# Altium PCB 08蜂鸣器.PcbDoc
Units mil, origin at the board's own origin, x right, y up, seen from the top; angles counter-clockwise.
Board outline 1168.96 x 939.58 mil, 2 copper layers (Top Layer, Bottom Layer); 4 components, 8 nets, 14 pads, 19 vias.
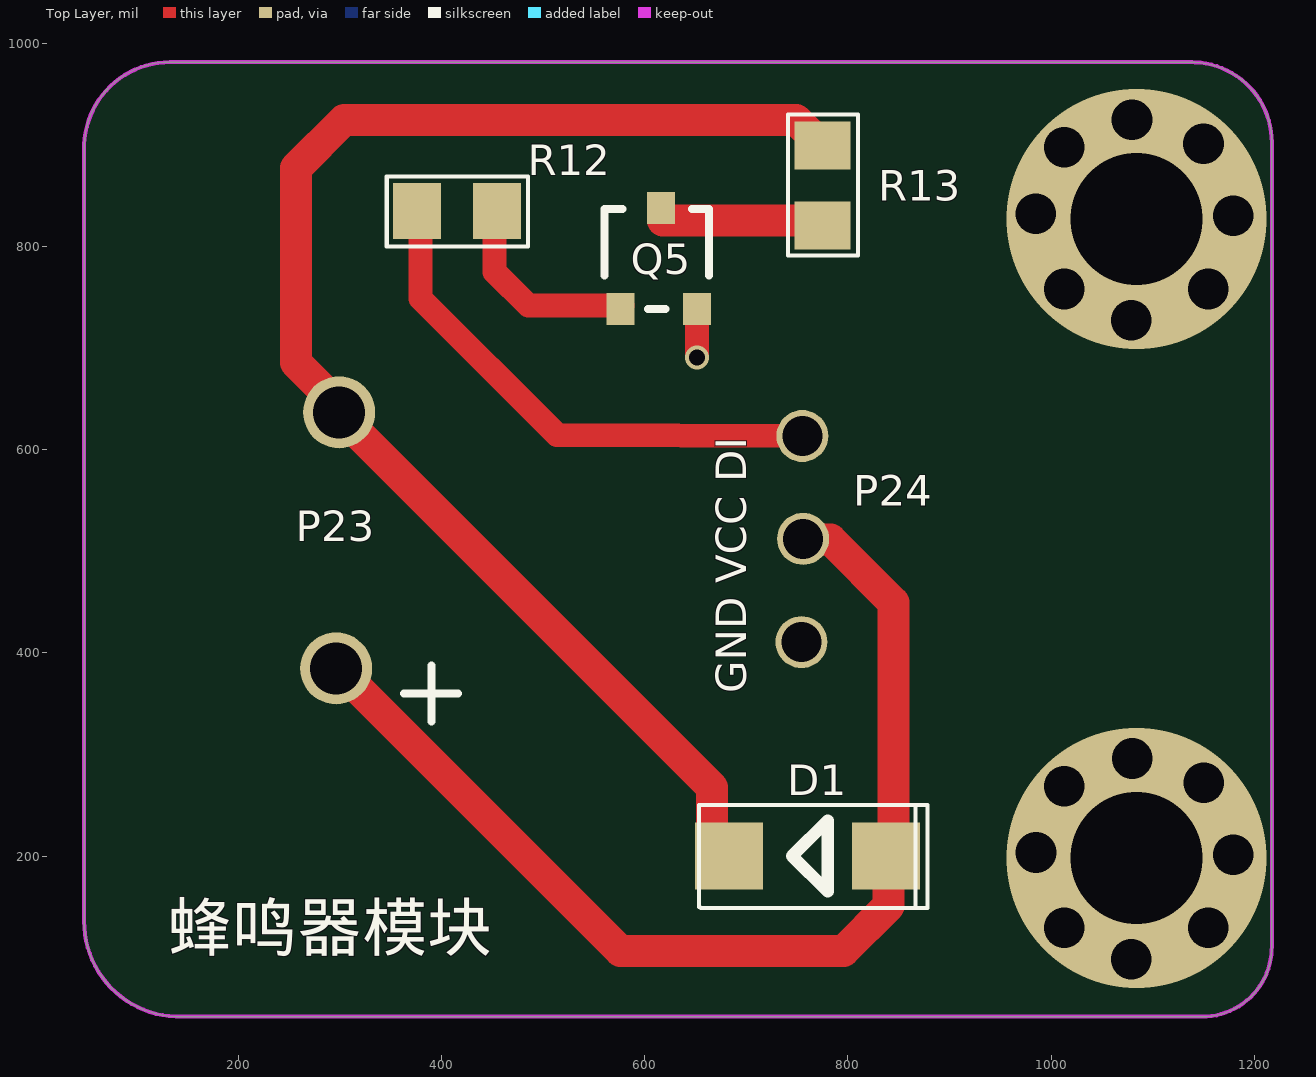
[diagram p0: Top Layer view]
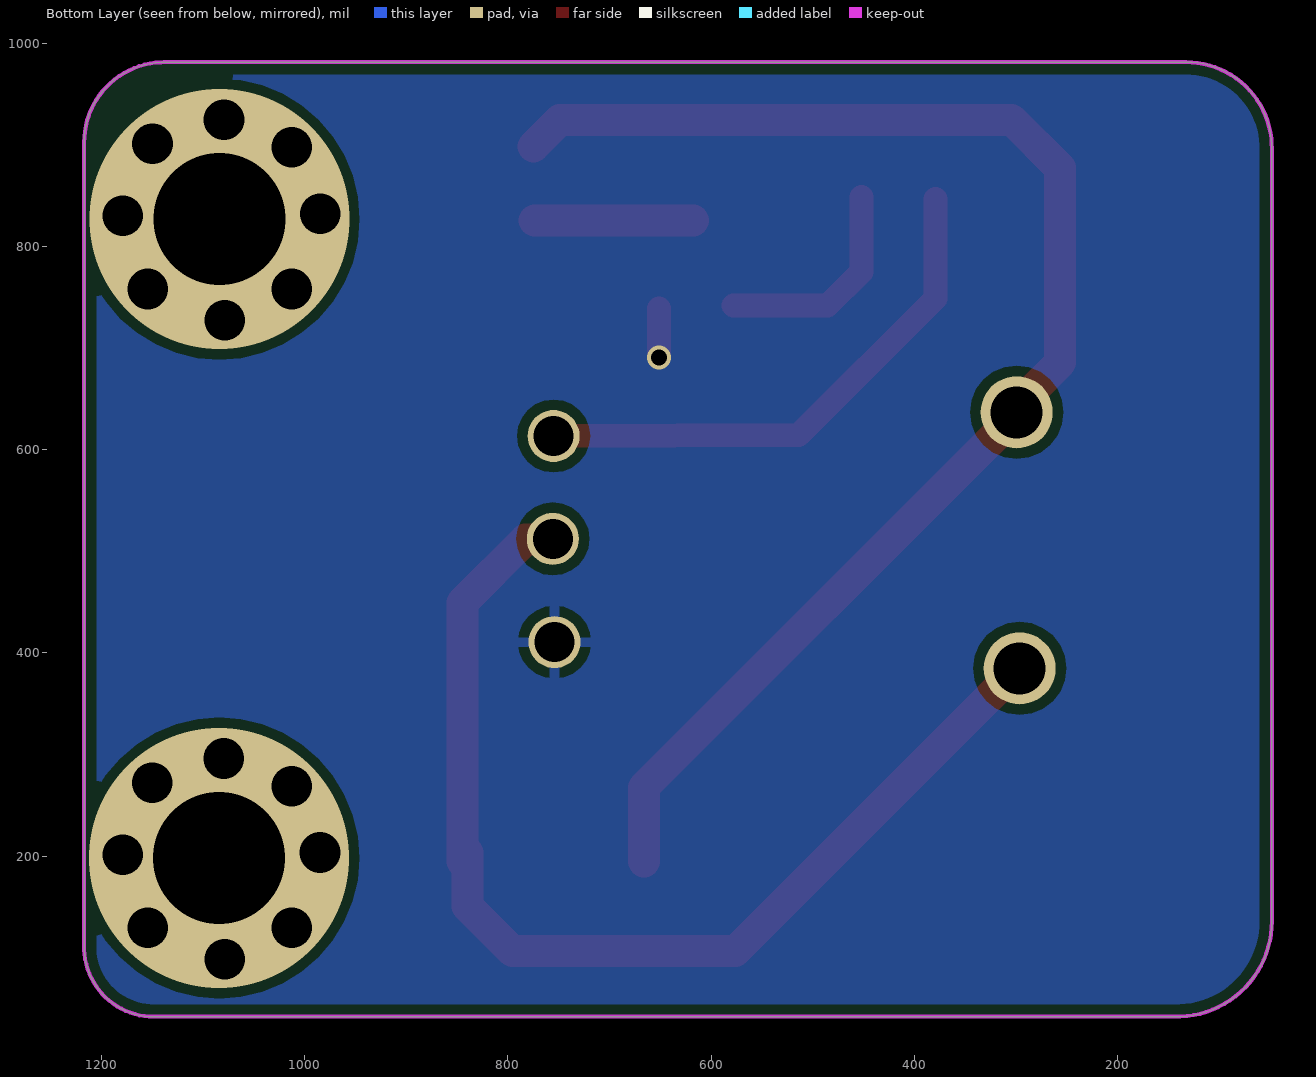
[diagram p1: Bottom Layer view, seen from below]
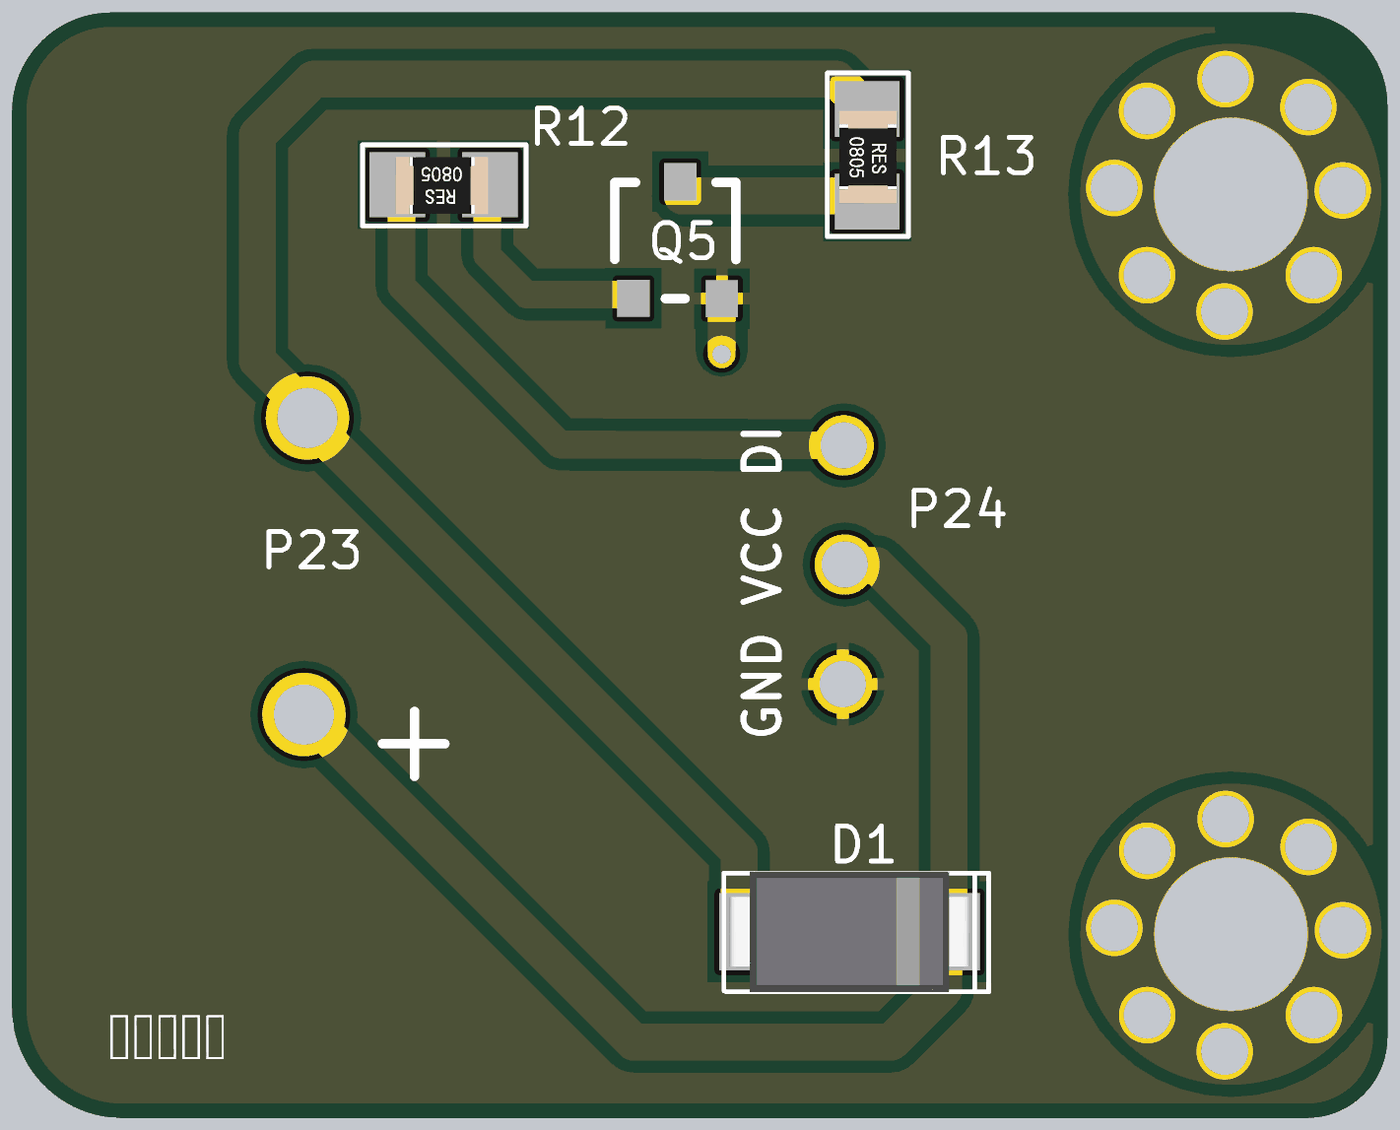
[diagram p2: 3D render of the assembled board from above, using the file's embedded part models]

## Layer stack, top to bottom
Top Solder: solder mask 0.4, Solder Resist, Dk 3.5
Top Layer: signal copper 1.4
Dielectric1: dielectric 12.6, FR-4, Dk 4.8
Bottom Layer: signal copper 1.4
Bottom Solder: solder mask 0.4, Solder Resist, Dk 3.5

## Board outline
62.26,86.2 59.01,91.88 56.16,97.77 53.72,103.85 51.72,110.09 50.16,116.45 49.04,122.9 48.38,129.41 48.17,135.96 48.17,897.34 48.24,900.28 48.67,906.15 49.51,911.98 50.75,917.74 52.39,923.39 54.43,928.91 56.84,934.28 59.62,939.47 62.76,944.45 66.23,949.21 70.03,953.7 74.13,957.92 78.52,961.85 83.17,965.46 88.06,968.73 93.17,971.66 98.47,974.22 103.94,976.41 109.54,978.21 115.26,979.62 121.06,980.62 126.92,981.21 132.8,981.4 132.51,981.37 1138.37,981.37 1138.64,981.29 1141.38,981.23 1146.86,980.83 1152.3,980.05 1157.68,978.89 1162.96,977.35 1168.12,975.46 1173.13,973.21 1177.98,970.61 1182.63,967.68 1187.06,964.43 1191.26,960.89 1195.21,957.05 1198.87,952.96 1202.24,948.61 1205.3,944.05 1208.03,939.28 1210.43,934.33 1212.47,929.22 1214.15,923.99 1215.46,918.65 1216.4,913.23 1216.96,907.76 1217.13,902.27 1217.13,110.18 1217.07,107.79 1216.72,103.01 1216.04,98.27 1215.03,93.59 1213.69,89 1212.04,84.5 1210.08,80.14 1207.82,75.92 1205.27,71.86 1202.44,68 1199.35,64.34 1196.01,60.91 1192.44,57.72 1188.66,54.78 1184.68,52.12 1180.53,49.74 1176.22,47.66 1171.77,45.88 1167.21,44.41 1162.57,43.27 1157.85,42.46 1153.09,41.97 1148.3,41.82 1148.53,41.83 141.68,41.83 138.41,41.9 131.87,42.38 125.39,43.31 118.99,44.69 112.7,46.52 106.56,48.78 100.58,51.46 94.81,54.55 89.27,58.04 83.98,61.91 78.98,66.14 74.29,70.7 69.92,75.58 65.91,80.75

## Design rules (kind name [scope] priority, off if disabled: settings)
Clearance CAM_Clearance_2 [OnLayer('Top Layer')] p1: gap=10 ignorepadtopadclearanceinfootprint=FALSE except(0: Arc-Hole Track-Hole SMDPad-Hole THPad-Hole Via-Hole Fill-Hole Poly-Hole Region-Hole Text-Hole)
Clearance CAM_Clearance_1 [OnLayer('Bottom Layer')] p2: gap=10 ignorepadtopadclearanceinfootprint=FALSE except(0: Arc-Hole Track-Hole SMDPad-Hole THPad-Hole Via-Hole Fill-Hole Poly-Hole Region-Hole Text-Hole)
Clearance [All] p3: gap=10 ignorepadtopadclearanceinfootprint=FALSE except(0: Arc-Hole Track-Hole SMDPad-Hole THPad-Hole Via-Hole Fill-Hole Poly-Hole Region-Hole Text-Hole)
PolygonConnect PolygonConnect_1 [isvia] p1: connectstyle=Direct reliefconductorwidth=10 reliefentries=4 polygonreliefangle="90 Angle" airgapwidth=10
PolygonConnect [All] p2: connectstyle=Relief reliefconductorwidth=10 reliefentries=4 polygonreliefangle="90 Angle" airgapwidth=10
RoutingVias [All] p1: holewidth=28 width=50 viastyle="Through Hole" minholewidth=28 minwidth=50 maxholewidth=28 maxwidth=50
SilkToSolderMaskClearance SilkscreenOverComponentPads [IsPad] p1: minsilkscreentomaskgap=10 clearancetoexposedcopper=TRUE
SolderMaskExpansion [All] p1: expansion=4
Width CAM_Width_2 [OnLayer('Top Layer')] p1: maxlimit=32.5 minlimit=22.62 preferedwidth=23.62
Width CAM_Width_1 [OnLayer('Bottom Layer')] p2: maxlimit=11 minlimit=4 preferedwidth=5
Width [All] p3: maxlimit=10 minlimit=10 preferedwidth=10
29 further rules are at their usual default settings.

## Components (designator, comment, footprint, x,y, rotation, side; value= is the part's Value field where it differs from the comment)
D1 "SS14" DO-214AC/SMA 760,200 r0 top
Q5 "J3Y" sot23 611.06,787.59 r180 top
R12 "1K 5%" 0805-R 415,835 r180 top
R13 "510 5%" 0805-R 775,860 r270 top

## Footprints (in the part's own frame and the unit in brackets; to place one, negate y for a bottom-side part, rotate by r counter-clockwise, add the part's x,y. Pads: shape width x height; smd on the part's side, far side on the other; paste and mask are expansions set on the pad)
0805-R [mm]
  rect 1.2x1.4 smd: 1(-1,0) 2(1,0)
  silkscreen extent -1.78,-0.86 1.75,0.89, body extent -0.97,-0.61 1.03,0.64, height 0.55
DO-214AC/SMA [mm]
  rect 1.7x1.67 smd: 1(-1.965,0) 2(1.965,0)
  silkscreen extent -2.71,-1.3 3,1.27, body extent -2.6,-1.3 2.6,1.3, height 2.4
sot23 [mil]
  rect 27.56x31.5 smd paste+0 mask+4: 1(34.78,49.15) 2(-40.42,49.37) 3(-5,-50)
  silkscreen extent -52,-49 51,49

## Free pads (board coordinates)
  round 51.18 hole 39.37: 10(754.2,410.53) 10(755.03,613.44) 10(755.86,512.19)
  round 70.87 hole 51.18: 11(296.28,384.69) 11(299.21,636.78)

## Via types
v1: diameter 40, hole 40, Top Layer to Bottom Layer, 16 vias
v2: diameter 255.91, hole 129.92, Top Layer to Bottom Layer, 2 vias
v3: diameter 23.62, hole 15.75, Top Layer to Bottom Layer, 1 vias

## Nets (pads, with @x,y where several pads share a name; then routed paths per layer and width w, separated by ;. In a path a pad name is that pad's centre, name@x,y a point inside that pad or via, vN(x,y) a via of type N, cw(c..) or ccw(c..) an arc to the next point about the centre after c; other vN are vias at no path point)
$Net2: pad.10@755.03,613.44 R12.2 | length 529.5
  Top Layer w23.62: R12.2@379.19,846.76 379.19,748.86 513.79,614.26 pad.10@755.03,613.44
$Net3: 
  other v1: 1078.79,98.45 1012.95,129.27 1154.62,129.27 1179.21,201.36 985.04,203.45 1012.96,268.86 1150.04,272.2 1079.62,295.96
  other v2: 1084.2,198.02
$Net4: 
  other v1: 1078.66,727.26 1012.81,758.09 1154.48,758.09 1179.07,830.18 984.91,832.26 1012.82,897.68 1149.91,901.01 1079.48,924.77
  other v2: 1084.06,826.84
$Net5: D1.1 pad.11@299.21,636.78 R13.1 | length 1401.1
  Top Layer w31.5: D1.1@666.28,194.68 666.28,267.6 311.28,622.6 311.28,630.94 256.69,685.53 256.69,877.18 304.19,924.69 748.78,924.69 R13.1@775.03,898.44
$Net6: Q5.1 R12.1 | length 213.4
  Top Layer w23.62: R12.1@452.11,848.85 452.11,775.08 485.44,741.76 Q5.1@577.94,741.76
$Net7: Q5.3 R13.2 | length 155.8
  Top Layer w31.5: Q5.3@617.94,825.51 R13.2@773.77,825.51
GND: pad.10@754.2,410.53 Q5.2 | length 44.8
  Top Layer w23.62: v3@651.28,694.04 Q5.2@651.28,738.85
  other v3: 651.27,690.93
VCC: D1.2 pad.10@755.86,512.19 pad.11@296.28,384.69 | length 1105.4
  Top Layer w31.5: pad.11@296.27,388.01 296.27,386.36 576.28,106.35 795.44,106.35 840,150.91 D1.2@840,203.45 ; pad.10@752.11,511.35 782.93,511.35 844.61,449.67 D1.2@844.61,194.69

## Polygon pours and split planes (outlines as drawn)
GND on Top Layer "Top Layer-No Net" (solid, shelved, pour order 1004): 62.26,86.2 59.01,91.88 56.16,97.77 53.72,103.85 51.72,110.09 50.16,116.45 49.04,122.9 48.38,129.41 48.17,135.96 48.17,897.34 48.24,900.28 48.67,906.15 49.51,911.98 50.75,917.74 52.39,923.39 54.43,928.91 56.84,934.28 59.62,939.47 62.76,944.45 66.23,949.21 70.03,953.7 74.13,957.92 78.52,961.85 83.17,965.46 88.06,968.73 93.17,971.66 98.47,974.22 103.94,976.41 109.54,978.21 115.26,979.62 121.06,980.62 126.92,981.21 132.8,981.4 132.51,981.37 1138.37,981.37 1138.64,981.29 1141.38,981.23 1146.86,980.83 1152.3,980.05 1157.68,978.89 1162.96,977.35 1168.12,975.46 1173.13,973.21 1177.98,970.61 1182.63,967.68 1187.06,964.43 1191.26,960.89 1195.21,957.05 1198.87,952.96 1202.24,948.61 1205.3,944.05 1208.03,939.28 1210.43,934.33 1212.47,929.22 1214.15,923.99 1215.46,918.65 1216.4,913.23 1216.96,907.76 1217.13,902.27 1217.13,110.18 1217.07,107.79 1216.72,103.01 1216.04,98.27 1215.03,93.59 1213.69,89 1212.04,84.5 1210.08,80.14 1207.82,75.92 1205.27,71.86 1202.44,68 1199.35,64.34 1196.01,60.91 1192.44,57.72 1188.66,54.78 1184.68,52.12 1180.53,49.74 1176.22,47.66 1171.77,45.88 1167.21,44.41 1162.57,43.27 1157.85,42.46 1153.09,41.97 1148.3,41.82 1148.53,41.83 141.68,41.83 138.41,41.9 131.87,42.38 125.39,43.31 118.99,44.69 112.7,46.52 106.56,48.78 100.58,51.46 94.81,54.55 89.27,58.04 83.98,61.91 78.98,66.14 74.29,70.7 69.92,75.58 65.91,80.75
GND on Bottom Layer "Top Layer-No Net1" (solid, pour order 1005): 62.26,86.2 59.01,91.88 56.16,97.77 53.72,103.85 51.72,110.09 50.16,116.45 49.04,122.9 48.38,129.41 48.17,135.96 48.17,897.34 48.24,900.28 48.67,906.15 49.51,911.98 50.75,917.74 52.39,923.39 54.43,928.91 56.84,934.28 59.62,939.47 62.76,944.45 66.23,949.21 70.03,953.7 74.13,957.92 78.52,961.85 83.17,965.46 88.06,968.73 93.17,971.66 98.47,974.22 103.94,976.41 109.54,978.21 115.26,979.62 121.06,980.62 126.92,981.21 132.8,981.4 132.51,981.37 1138.37,981.37 1138.64,981.29 1141.38,981.23 1146.86,980.83 1152.3,980.05 1157.68,978.89 1162.96,977.35 1168.12,975.46 1173.13,973.21 1177.98,970.61 1182.63,967.68 1187.06,964.43 1191.26,960.89 1195.21,957.05 1198.87,952.96 1202.24,948.61 1205.3,944.05 1208.03,939.28 1210.43,934.33 1212.47,929.22 1214.15,923.99 1215.46,918.65 1216.4,913.23 1216.96,907.76 1217.13,902.27 1217.13,110.18 1217.07,107.79 1216.72,103.01 1216.04,98.27 1215.03,93.59 1213.69,89 1212.04,84.5 1210.08,80.14 1207.82,75.92 1205.27,71.86 1202.44,68 1199.35,64.34 1196.01,60.91 1192.44,57.72 1188.66,54.78 1184.68,52.12 1180.53,49.74 1176.22,47.66 1171.77,45.88 1167.21,44.41 1162.57,43.27 1157.85,42.46 1153.09,41.97 1148.3,41.82 1148.53,41.83 141.68,41.83 138.41,41.9 131.87,42.38 125.39,43.31 118.99,44.69 112.7,46.52 106.56,48.78 100.58,51.46 94.81,54.55 89.27,58.04 83.98,61.91 78.98,66.14 74.29,70.7 69.92,75.58 65.91,80.75

## Keep-outs
Keep-Out Layer:
  lines w3.94: 48.17,135.64 48.17,897.06 ; 48.17,135.96 48.38,129.41 49.04,122.9 50.16,116.45 51.72,110.09 53.72,103.85 56.16,97.77 59.01,91.88 62.26,86.2 65.91,80.75 69.92,75.58 74.29,70.7 78.98,66.14 83.98,61.91 89.27,58.04 94.81,54.55 100.58,51.46 106.56,48.78 112.7,46.52 118.99,44.69 125.39,43.31 131.87,42.38 138.41,41.9 141.68,41.83 ; 48.17,897.34 48.24,900.28 48.67,906.15 49.51,911.98 50.75,917.74 52.39,923.39 54.43,928.91 56.84,934.28 59.62,939.47 62.76,944.45 66.23,949.21 70.03,953.7 74.13,957.92 78.52,961.85 83.17,965.46 88.06,968.73 93.17,971.66 98.47,974.22 103.94,976.41 109.54,978.21 115.26,979.62 121.06,980.62 126.92,981.21 132.8,981.4 ; 132.51,981.37 1138.37,981.37 ; 141.99,41.83 1148.53,41.83 ; 1138.64,981.29 1141.38,981.23 1146.86,980.83 1152.3,980.05 1157.68,978.89 1162.96,977.35 1168.12,975.46 1173.13,973.21 1177.98,970.61 1182.63,967.68 1187.06,964.43 1191.26,960.89 1195.21,957.05 1198.87,952.96 1202.24,948.61 1205.3,944.05 1208.03,939.28 1210.43,934.33 1212.47,929.22 1214.15,923.99 1215.46,918.65 1216.4,913.23 1216.96,907.76 1217.13,902.27 ; 1148.3,41.82 1153.09,41.97 1157.85,42.46 1162.57,43.27 1167.21,44.41 1171.77,45.88 1176.22,47.66 1180.53,49.74 1184.68,52.12 1188.66,54.78 1192.44,57.72 1196.01,60.91 1199.35,64.34 1202.44,68 1205.27,71.86 1207.82,75.92 1210.08,80.14 1212.04,84.5 1213.69,89 1215.03,93.59 1216.04,98.27 1216.72,103.01 1217.07,107.79 1217.13,110.18 ; 1217.13,110.41 1217.13,902.53

## Silkscreen, mask and mechanical layers (free items; w line width, h text height)
Top Overlay:
  lines w7.87: 362.95,359.91 416.05,359.91 ; 390.24,332.2 390.24,387.41 ; 560.44,771.56 560.44,836.98 578.13,836.98 ; 603.35,738.24 620.23,738.24 ; 646.48,836.99 663.35,836.99 663.35,771.34
  lines w12: 745,200 780,235 780,165 745,200
  text "P24" at 805,545 h30
  text "P23" at 256.69,510 h30
  text "GND VCC DI" at 700,360 h30 r90
  text "蜂鸣器模块" at 130,91.88 h80